# Altium PCB PCB4191.PcbDoc (part 2 of 4)
Units mm, origin at the board's own origin, x right, y up, seen from the top; angles counter-clockwise.
Board outline 160 x 160 mm, 6 copper layers (Top Layer, IM1 RIS, IM2 Signal, IM3 Signal, IM4 GND, Bottom Layer), stack 1.582 mm thick; 143 components, 121 nets, 430 pads, 4983 vias.
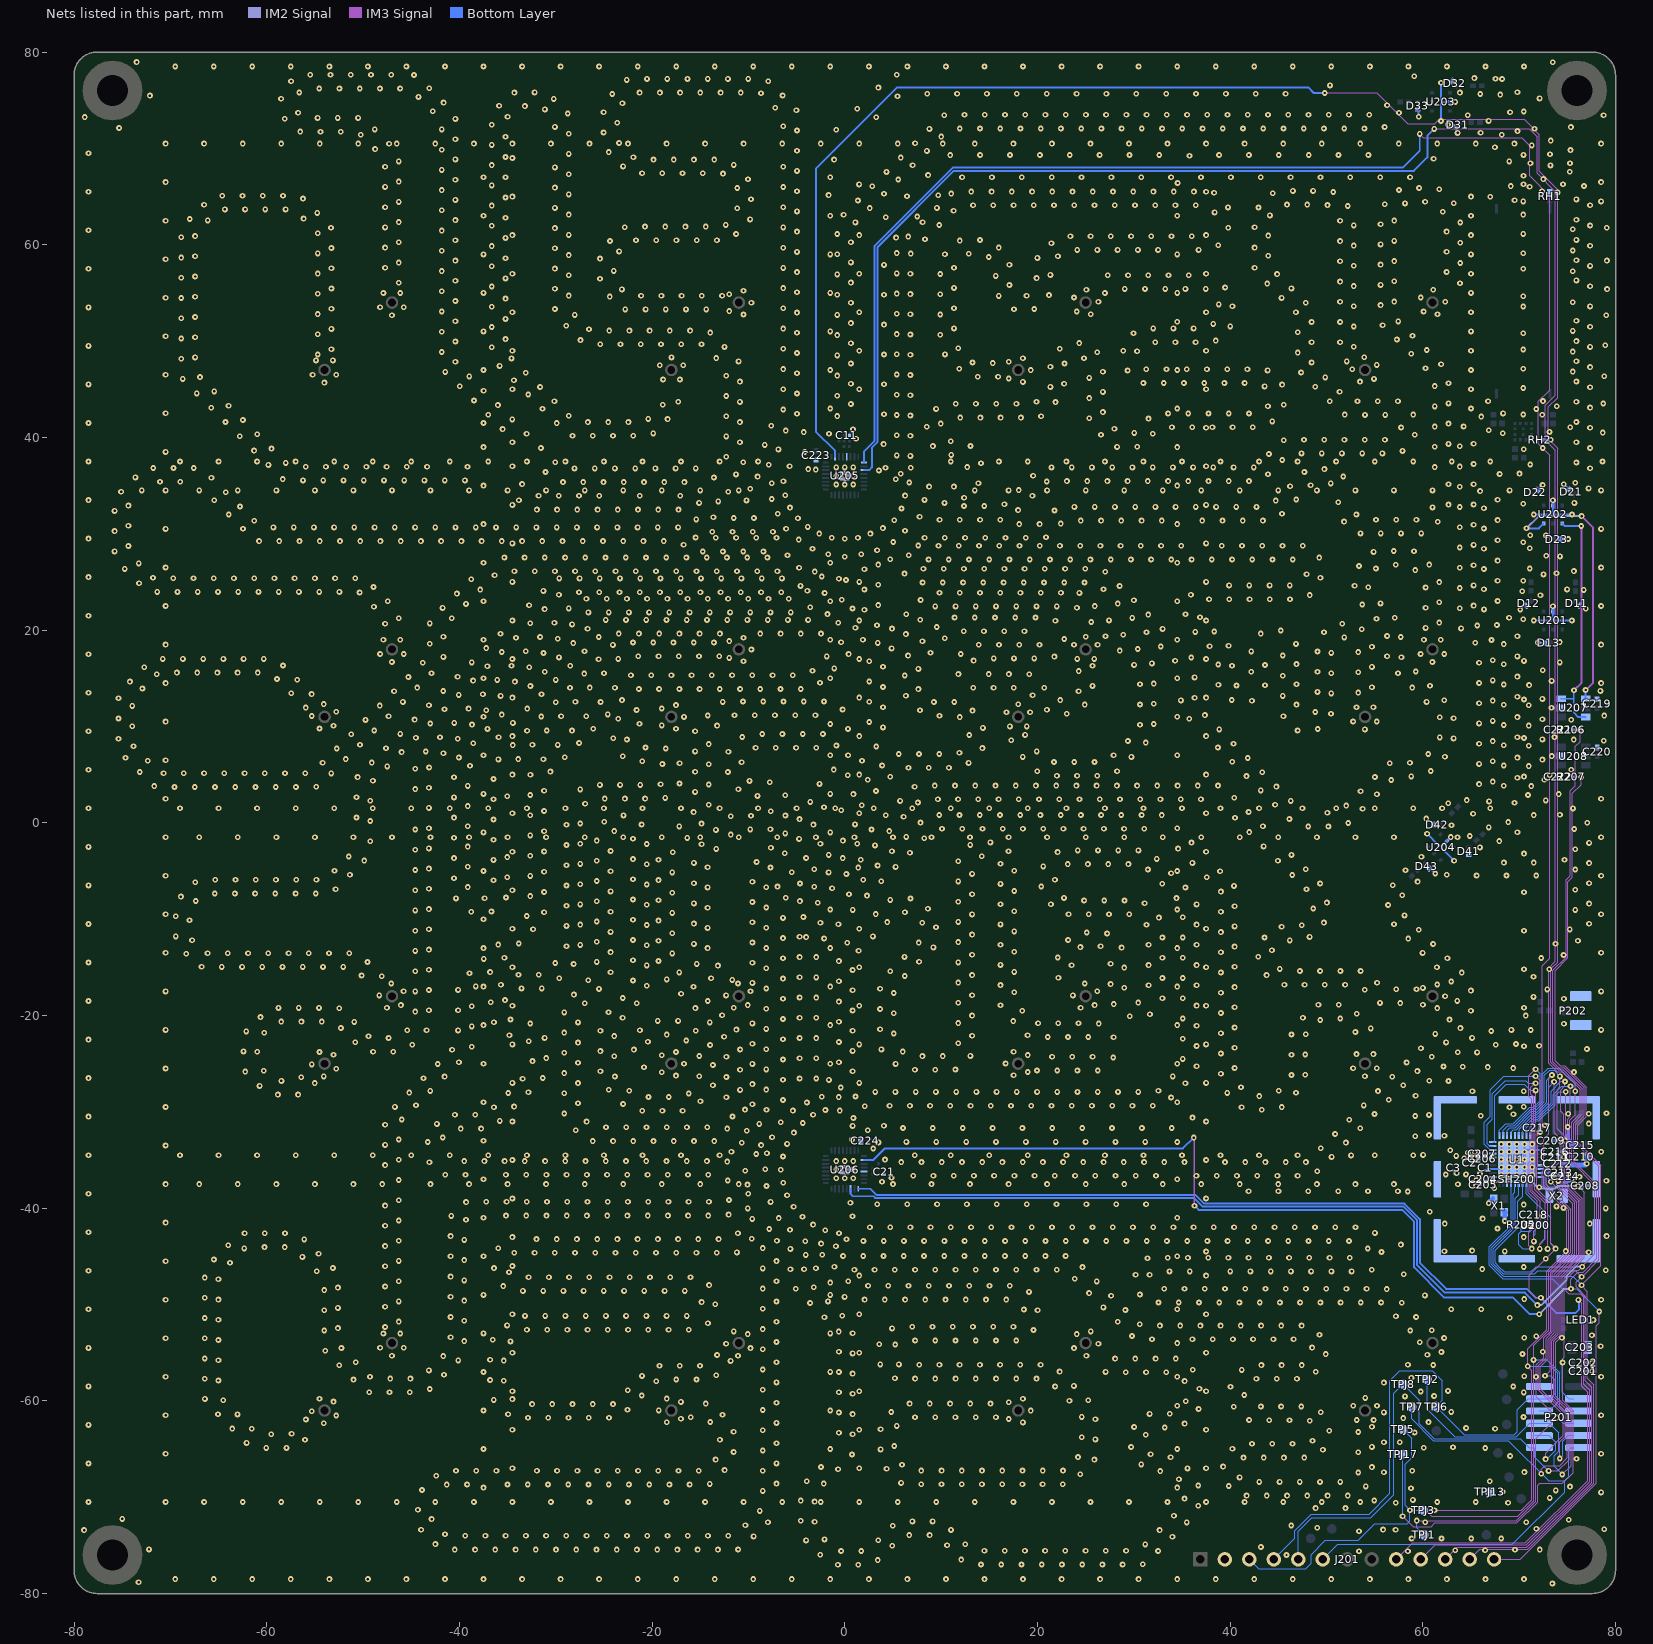
[diagram p6: the nets of this part, all layers, seen from the top]

## Via types
v1: diameter 0.6, hole 0.25, IM4 GND to Bottom Layer, tented bottom, 3953 vias
v2: diameter 0.6, hole 0.25, Top Layer to Bottom Layer, tented both sides, 851 vias
v3: diameter 0.6, hole 0.25, IM4 GND to Bottom Layer, tented both sides, 179 vias

## Nets (pads, with @x,y where several pads share a name; then routed paths per layer and width w, separated by ;. In a path a pad name is that pad's centre, name@x,y a point inside that pad or via, vN(x,y) a via of type N, cw(c..) or ccw(c..) an arc to the next point about the centre after c; other vN are vias at no path point) (continued)
CTRL3: J201.9 U1.3 U205.9 U206.9 | length 356.4
  IM3 Signal w0.1: J201.9@57.232,-76.45 58.955,-74.725 70.65,-74.725 77.1,-68.275 77.1,-59.1 76.475,-58.475 76.475,-49.85 v2(76.15,-49.525) ; v2(59.675,71.5) 60.05,71.125 70.25,71.125 71.075,70.3 71.075,67.15 73.168,65.057 73.168,44.9 72,43.732 72,39.325 73.168,38.157 73.168,-14.082 72.4,-14.85 72.4,-31.7 71.95,-32.15 71.95,-35.625 71.798,-35.777 71.798,-37.969 73.25,-39.421 73.25,-43.66 v2(73.782,-44.192) 71.025,-46.949 71.025,-48.625 71.7,-49.3 v2(72.25,-49.3)
  Bottom Layer w0.1: U1.3@70.75,-37.445 70.75,-38.5 73.25,-41 73.25,-43.7 v2@73.75,-44.2
  Bottom Layer w0.2: U206.9@1.4,-37.985 2.635,-37.985 3.275,-38.625 36.4,-38.625 37.3,-39.525 58.085,-39.525 59.703,-41.142 59.703,-45.653 62.425,-48.375 70.775,-48.375 71.7,-49.3 v2(72.25,-49.3) 73.825,-50.875 75.85,-50.875 76.225,-50.5 76.225,-49.625 76.15,-49.55 v2(76.15,-49.525) ; U205.9@1.985,37.4 1.985,38.535 3.1,39.65 3.1,59.89 11.21,68 57.9,68 59.675,69.775 v2(59.675,71.5)
CTRL4: J201.10 U1.4 U205.11 U206.11 | length 372.8
  IM3 Signal w0.1: J201.10@59.772,-76.45 61.27,-74.95 70.75,-74.95 77.3,-68.4 77.3,-58.925 76.675,-58.3 76.675,-49.25 76.325,-48.9 75.15,-48.9 74.875,-48.625 74.875,-47.375 75.825,-46.425 76.2,-46.425 v2(76.55,-46.075) 76.55,-46.05 77.854,-44.746 77.854,-37.604 75.45,-35.2 75.45,-31.075 76.35,-30.175 76.35,-27.683 74.492,-25.825 73.925,-25.825 73.075,-24.975 73.075,-15.075 73.768,-14.382 73.768,38.657 72.725,39.7 72.725,43.332 73.768,44.375 73.768,65.507 71.85,67.425 71.85,71.2 71.025,72.025 v2(61.175,72.025)
  IM2 Signal w0.2: v2(71.888,-50.063) 72.312,-50.063 74.925,-47.45 74.925,-47.02 75.87,-46.075 v2(76.55,-46.075)
  Bottom Layer w0.1: U1.4@70.35,-37.445 70.35,-38.785 69.83,-39.306 69.83,-42.032 67.51,-44.352 67.51,-45.678 67.847,-46.015 68.431,-46.6 71.225,-46.6 71.75,-46.075 v2(76.55,-46.075)
  Bottom Layer w0.2: U206.11@0.6,-37.985 0.6,-38.525 0.841,-38.766 2.992,-38.766 3.151,-38.925 36.225,-38.925 37.125,-39.825 57.961,-39.825 59.403,-41.267 59.403,-45.903 62.275,-48.775 70.6,-48.775 v2(71.888,-50.063) ; U205.11@1.985,36.6 2.525,36.6 2.82,36.895 2.82,38.945 3.4,39.525 3.4,59.765 11.309,67.675 59.075,67.675 60.475,69.075 60.475,71.325 v2(61.175,72.025)
CTRL5: J201.11 R206.1 U1.5 | length 122.5
  IM3 Signal w0.1: J201.11@62.312,-76.45 63.56,-75.2 70.809,-75.2 77.525,-68.484 77.525,-58.575 76.875,-57.925 76.875,-49.125 75.925,-48.175 75.925,-47.675 v2(76.475,-47.125) ; v2(76.313,9.639) 76.313,8.413 75.837,7.938 75.837,3.862 75.3,3.325 75.3,-5.475 74.86,-5.915 74.86,-13.93 73.5,-15.29 73.5,-24.8 74.125,-25.425 74.658,-25.425 76.75,-27.517 76.75,-30.392 75.85,-31.292 75.85,-33.233 76.817,-34.2 78.254,-35.636 78.254,-45.371 v2@76.475,-47.15
  Bottom Layer w0.1: U1.5@69.95,-37.445 69.95,-38.623 69.604,-38.97 69.604,-41.921 67.31,-44.216 67.31,-45.761 67.537,-45.989 67.626,-46.077 68.369,-46.821 71.629,-46.821 71.95,-46.5 75.85,-46.5 v2@76.45,-47.1 ; R206.1@75.655,9.639 v2(76.313,9.639)
CTRL5+: U202.6 U207.4 | length 28
  IM3 Signal w0.2: v2(76.481,31.837) 77.675,30.643 77.675,14.559 v2(76.895,13.779)
  IM2 Signal w0.2: v2(70.758,30.566) 72.029,31.837 v2(76.481,31.837)
  Bottom Layer w0.2: v2(70.758,30.566) 72.045,30.566 U202.6@72.55,31.071 ; U207.4@76.895,12.878 v2(76.895,13.779)
CTRL5-: U202.4 U207.3 U207.6 | length 24.5
  IM3 Signal w0.2: v2(75.689,13.752) 76.47,14.534 v2@76.47,30.807
  Bottom Layer w0.2: U207.3@74.355,12.878 75.66,12.878 ; U202.4@74.45,31.071 74.715,30.807 v2(76.442,30.807) ; v2(75.689,13.752) 75.66,13.723 75.66,12.878 ; U207.6@76.895,10.973 76.153,10.973 75.66,11.465 75.66,12.878
CTRL6: J201.12 R207.1 U1.6 | length 115.3
  IM3 Signal w0.1: J201.12@64.852,-76.45 65.9,-75.4 70.892,-75.4 77.75,-68.542 77.75,-58.35 77.075,-57.675 77.075,-48.662 76.475,-48.062 v2(76.475,-48) 76.475,-47.938 78.454,-45.959 78.454,-35.554 76.9,-34 76.075,-33.175 76.075,-31.375 76.95,-30.5 76.95,-27.434 74.741,-25.225 74.275,-25.225 73.725,-24.675 73.725,-15.348 75.06,-14.013 75.06,-6.115 75.525,-5.65 75.525,3.05 76.435,3.96 v2(76.435,4.76)
  Bottom Layer w0.1: U1.6@69.55,-37.445 69.55,-38.329 69.373,-38.506 69.373,-41.851 67.11,-44.114 67.11,-45.844 67.245,-45.979 68.348,-47.082 75.582,-47.082 76.475,-47.975 v2(76.475,-48) ; R207.1@75.694,4.76 v2(76.435,4.76)
CTRL7: J201.13 U1.7 U205.2 U206.2 | length 382.4
  IM3 Signal w0.1: v2(49.825,75.75) 55.225,75.75 58.425,72.55 61.25,72.55 61.7,73 70.525,73 72.1,71.425 72.1,67.605 73.98,65.725 73.98,44.125 73.025,43.17 73.025,39.85 73.98,38.895 73.98,-14.47 73.275,-15.175 73.275,-24.858 74.042,-25.625 74.575,-25.625 76.55,-27.6 76.55,-30.275 75.65,-31.175 75.65,-35.117 78.054,-37.521 78.054,-45.221 76.625,-46.65 76.1,-46.65 75.375,-47.375 v2(75.375,-48.375) ; J201.13@67.392,-76.45 J201.13@67.392,-76.45 70.125,-76.45 78,-68.575 78,-52.2 78.3,-51.9 v2(78.3,-50.725)
  IM3 Signal w0.2: v2(36.225,-32.675) 36.275,-32.725 36.275,-39.725 v2(36.3,-39.75)
  IM2 Signal w0.2: v2(72.075,-51) 74.7,-48.375 v2(75.375,-48.375)
  Bottom Layer w0.1: U1.7@69.15,-37.445 69.15,-41.765 66.91,-44.006 66.91,-45.927 68.286,-47.303 73.411,-47.303 74.484,-48.375 v2(75.375,-48.375) 75.95,-48.375 v2(78.3,-50.725)
  Bottom Layer w0.2: U205.2@-1,37.985 -1,38.6 -3.001,40.6 -3.001,67.894 5.443,76.338 48.113,76.338 48.7,75.75 v2(49.825,75.75) ; U206.2@1.985,-35 2.973,-35 4.174,-33.8 35.1,-33.8 v2(36.225,-32.675) ; v2(36.3,-39.75) 36.725,-40.175 57.887,-40.175 59.103,-41.391 59.103,-46.153 62.225,-49.275 69.375,-49.275 71.1,-51 v2(72.075,-51)
EFR32_#RESET: C208.1 P201.3 TPJ17.1 U1.11 | length 74.1
  IM3 Signal w0.1: v2(57.899,-71.975) 58.999,-73.075 60.85,-73.075 61.25,-72.675 69.751,-72.675 71.923,-70.503 71.923,-68.767 72.142,-68.548 74.487,-68.548 75.593,-67.441 75.593,-61.016 74.5,-59.923 v2(74.5,-56.023) 74.5,-55.607 74.654,-55.453 74.654,-47.271 76.758,-45.167 76.758,-38.338 v2(76.105,-37.686)
  IM2 Signal w0.2: v2(67.325,-37.231) 71.281,-37.231 72,-37.95 73.775,-37.95 74.039,-37.686 v2(76.105,-37.686)
  Bottom Layer w0.1: v2(57.899,-71.975) TPJ17.1@57.899,-65.557 ; v2(74.5,-56.023) 74.459,-56.064 74.459,-59.117 75.124,-59.782 P201.3@75.657,-59.782 ; C208.1@76.577,-37.686 C208.1@76.615,-37.648
  Bottom Layer w0.3: v2(67.325,-37.231) 67.325,-37.226 67.4,-37.151 67.325,-37.076 U1.11@67.325,-36.842 ; v2(76.105,-37.686) C208.1@76.577,-37.686
EFR32_PA00: R205.1 U1.21 U200.A3 | length 34.1
  IM3 Signal w0.1: v2@71.275,-44.175 71,-43.9 71,-42.575 71.875,-41.7 71.875,-39.3 70.95,-38.375 70.95,-35.3 71.125,-35.125 71.125,-31.826 71.3,-31.651 71.3,-28.7 70.975,-28.375 70.975,-26.275 71.675,-25.575 v2(71.7,-25.575)
  Bottom Layer w0.1: U1.21@67.95,-32.455 67.95,-31.9 68.601,-31.25 69.375,-31.25 71.077,-29.548 71.452,-29.548 72.175,-28.825 72.175,-26.05 v2(71.7,-25.575) ; 70.225,-42.35 R205.1@70.225,-42.025 ; U200.A3@71.25,-42.125 70.975,-42.4 70.225,-42.4 70.225,-42.375 69.95,-42.65 69.95,-43.775 70.375,-44.2 v2(71.3,-44.2)
EFR32_PA01: P201.8 TPJ2.1 U1.22 | length 80.6
  IM3 Signal w0.1: v2(74.474,-67.643) 75.393,-66.724 75.393,-61.099 73.8,-59.506 73.8,-53.915 74.454,-53.261 74.454,-47.188 76.558,-45.084 76.558,-39.008 74.95,-37.4 74.95,-35.975 75.25,-35.675 75.25,-30.9 75.825,-30.325 v2(75.825,-27.875) 75.8,-27.875 v2@75.775,-27.85
  Bottom Layer w0.1: TPJ2.1@60.449,-57.777 60.449,-60.876 63.293,-63.719 69.688,-63.719 71.086,-62.322 P201.8@72.093,-62.322 73.107,-62.322 74.082,-63.296 74.082,-65.232 73.628,-65.686 73.628,-66.797 v2(74.474,-67.643) ; U1.22@68.35,-32.455 68.35,-31.9 68.8,-31.45 69.475,-31.45 71.177,-29.748 71.534,-29.748 72.4,-28.883 72.4,-26.075 73,-25.475 74.175,-25.475 75.8,-27.1 75.8,-27.875 v2(75.825,-27.875)
EFR32_PA02: P201.7 TPJ1.1 U1.23 | length 76.8
  IM3 Signal w0.1: v2(59.375,-72.425) 69.715,-72.425 69.716,-72.427 71.714,-70.429 71.714,-63.937 v2(73.908,-61.742) 73.908,-61.679 71.79,-59.56 71.79,-56.273 72.56,-55.504 72.56,-53.458 73.254,-52.764 73.254,-46.691 75.344,-44.601 75.344,-40.099 72.8,-37.555 72.8,-36.55 74.45,-34.9 74.45,-32.275 73.925,-31.75 73.925,-27.7 74.225,-27.4 v2(74.225,-26.325)
  Bottom Layer w0.1: v2(59.375,-72.425) 59.375,-73.185 TPJ1.1@60.098,-73.907 ; U1.23@68.75,-32.455 68.75,-31.917 69.018,-31.65 69.575,-31.65 71.277,-29.948 71.617,-29.948 72.625,-28.941 72.625,-26.225 73.15,-25.7 73.625,-25.7 74.225,-26.3 v2(74.225,-26.325) ; v2(73.908,-61.742) 73.972,-61.742 74.551,-62.322 P201.7@75.657,-62.322
EFR32_PA03: P201.6 TPJ3.1 U1.24 | length 76.2
  IM3 Signal w0.1: v2@61.205,-71.377 70.198,-71.377 71.312,-70.263 71.312,-56.851 v2(70.88,-56.418) 70.88,-54.57 72.852,-52.598 72.852,-46.525 74.942,-44.435 74.942,-40.265 72.398,-37.721 72.398,-36.202 72.55,-36.05 72.55,-32.825 73.075,-32.3 73.075,-26.5 v2(73.4,-26.175)
  Bottom Layer w0.1: TPJ3.1@60.049,-71.357 v2(61.205,-71.357) ; U1.24@69.15,-32.455 69.2,-32.405 69.2,-32.05 69.4,-31.85 69.675,-31.85 71.377,-30.148 71.7,-30.148 72.85,-28.999 72.85,-26.725 v2(73.4,-26.175) ; v2(70.88,-56.418) 73.259,-56.418 73.993,-57.151 73.993,-60.182 73.123,-61.052 P201.6@72.093,-61.052
EFR32_PA04: U1.25
EFR32_PA05: J201.3 P201.5 TPJ5.1 U1.26 | length 106.5
  IM3 Signal w0.102: v2(58.665,-71.349) 60.274,-71.349 60.911,-71.986 69.873,-71.986 71.513,-70.346 71.513,-54.221 73.053,-52.681 73.053,-46.608 75.143,-44.518 75.143,-40.182 72.599,-37.638 72.599,-36.4 ; 72.6,-36.4 74.249,-34.751 74.249,-32.799 73.625,-32.175 v2(73.625,-26.875)
  Bottom Layer w0.102: J201.3@41.99,-76.45 42.99,-77.45 47.825,-77.45 48.4,-76.875 48.4,-75.95 49.868,-74.482 53.293,-74.482 55.025,-72.75 58.375,-72.75 58.665,-72.46 v2(58.665,-71.349) 58.153,-70.837 58.153,-66.598 58.841,-65.91 58.841,-63.899 TPJ5.1@57.899,-62.957 ; U1.26@70,-32.405 70,-31.825 71.476,-30.349 71.783,-30.349 73.075,-29.057 73.075,-27.425 v2(73.625,-26.875) ; v2(71.489,-55.749) 72.875,-55.749 74.194,-57.069 74.194,-60.578 74.667,-61.052 P201.5@75.657,-61.052
EFR32_PA06: J201.4 P201.4 TPJ6.1 U1.27 | length 96.5
  IM3 Signal w0.1: v2(72.676,-57.403) 73.2,-56.879 73.2,-53.666 73.854,-53.013 73.854,-46.94 75.958,-44.836 75.958,-39.316 74.35,-37.708 74.35,-35.709 74.65,-35.409 74.65,-30.267 74.3,-29.917 74.3,-27.75 74.75,-27.3 v2(74.75,-26.85)
  Bottom Layer w0.1: J201.4@44.53,-76.45 46.699,-74.281 46.699,-73.463 48.412,-71.75 54.425,-71.75 56.575,-69.6 56.575,-57.9 57.6,-56.875 60.975,-56.875 62,-57.9 62,-59.957 TPJ6.1@61.369,-60.587 64.297,-63.515 69.499,-63.515 69.802,-63.212 69.802,-60.943 70.963,-59.782 P201.4@72.093,-59.782 73.191,-59.782 73.768,-59.206 73.768,-57.87 73.301,-57.403 v2(72.676,-57.403) ; U1.27@70.35,-32.455 70.35,-31.767 71.567,-30.55 71.866,-30.55 73.325,-29.091 73.325,-27.85 74.325,-26.85 v2(74.75,-26.85)
EFR32_PA07: J201.5 P201.12 TPJ8.1 U1.28 | length 98.9
  IM3 Signal w0.1: v2(73.051,-67.276) 74.015,-67.276 75.193,-66.098 75.193,-61.182 73.6,-59.589 73.6,-53.832 74.254,-53.178 74.254,-47.105 76.358,-45.002 76.358,-39.108 74.75,-37.5 74.75,-35.875 75.05,-35.575 75.05,-30.75 75.325,-30.475 v2(75.325,-27.35)
  Bottom Layer w0.1: J201.5@47.07,-76.45 47.07,-73.511 48.456,-72.125 54.6,-72.125 56.975,-69.75 56.975,-59.232 TPJ8.1@57.949,-58.257 59.632,-59.939 59.632,-62.371 61.18,-63.919 70.116,-63.919 71.058,-64.862 71.593,-64.862 71.593,-65.836 73.033,-67.276 v2(73.051,-67.276) ; U1.28@70.75,-32.403 70.75,-31.65 71.65,-30.75 71.949,-30.75 73.525,-29.174 73.525,-28.225 74.4,-27.35 v2(75.325,-27.35)
EFR32_PA08: J201.6 P201.11 TPJ7.1 U1.29 | length 103.9
  IM3 Signal w0.1: v2(72.284,-67.571) 72.284,-67.099 72.671,-66.712 74.205,-66.712 74.993,-65.924 74.993,-61.265 73.4,-59.672 73.4,-53.749 74.054,-53.095 74.054,-47.023 76.158,-44.919 76.158,-39.233 74.825,-37.9 74.825,-37.858 74.55,-37.583 74.55,-35.792 74.85,-35.492 74.85,-27.95 v2(74.825,-27.925)
  Bottom Layer w0.1: J201.6@49.61,-76.45 51.159,-74.901 69.299,-74.901 74.728,-69.472 74.728,-68.287 ; TPJ7.1@58.839,-60.627 58.839,-61.862 61.097,-64.119 68.879,-64.119 73.046,-68.287 74.728,-68.287 ; U1.29@71.15,-32.455 71.15,-31.55 71.75,-30.95 72.032,-30.95 73.725,-29.257 73.725,-28.35 74.15,-27.925 v2(74.825,-27.925) ; P201.11@75.657,-64.862 75.275,-64.862 75.129,-65.008 75.129,-67.886 74.728,-68.287
EFR32_PB00: U1.20 U200.D2 | length 30.7
  IM3 Signal w0.1: v2(71.7,-27.775) 71.7,-31.817 71.55,-31.967 71.55,-35.375 71.379,-35.546 71.379,-38.179 72.7,-39.5 72.7,-43.175 72.125,-43.75 v2(72.125,-44.225)
  Bottom Layer w0.1: U1.20@67.255,-33.15 67.45,-33.15 67.45,-28.325 68.65,-27.125 70.5,-27.125 71.15,-27.775 v2(71.7,-27.775) ; U200.D2@71.85,-41.775 72.3,-41.775 72.675,-42.15 72.675,-43.2 72.125,-43.75 v2(72.125,-44.225)
EFR32_PB01: U1.19 U200.C3 | length 30.2
  IM3 Signal w0.1: v2(71.525,-43.45) 71.525,-42.4 72.175,-41.75 72.175,-39.275 71.15,-38.25 71.15,-35.475 71.35,-35.275 71.35,-31.884 71.5,-31.734 71.5,-28.45 71.225,-28.175 71.225,-27.475 71.675,-27.025 v2(71.7,-27.025)
  Bottom Layer w0.1: U1.19@67.255,-33.55 66.925,-33.55 66.675,-33.3 66.675,-31.3 67.2,-30.775 67.2,-28.125 68.575,-26.75 70.675,-26.75 70.95,-27.025 v2(71.7,-27.025) ; v2(71.525,-43.45) 71.525,-42.85 71.65,-42.725 U200.C3@71.65,-42.125
EFR32_PB02: U1.18 U200.E1 | length 34.6
  IM3 Signal w0.1: v2(71.7,-26.3) 71.725,-26.3 72.175,-26.75 72.175,-31.625 71.75,-32.05 71.75,-35.5 71.598,-35.652 71.598,-38.052 71.6,-38.054 71.6,-38.1 72.95,-39.45 v2(72.95,-44.225)
  Bottom Layer w0.1: U1.18@67.255,-33.95 67.206,-33.9 66.9,-33.9 66.375,-33.375 66.375,-31.075 66.975,-30.475 66.975,-27.725 68.4,-26.3 v2(71.7,-26.3) ; U200.E1@72.05,-41.425 72.4,-41.425 72.95,-41.975 v2(72.95,-44.225)
EFR32_PB03: U1.17
EFR32_PB04: U1.16 | length 0.3
  Bottom Layer w0.1: U1.16@66.97,-34.75 U1.16@67.255,-34.75
EFR32_PC07: U1.8
EFR32_PD00: U1.40 X2.1 | length 1.9
  Bottom Layer w0.1: U1.40@72.245,-36.75 72.5,-36.75 72.5,-36.756 72.51,-36.766 72.55,-36.806 72.55,-37.756 72.92,-38.125 X2.1@73,-38.125
EFR32_PD01: U1.39 X2.2 | length 3.4
  Bottom Layer w0.1: U1.39@72.245,-36.35 72.531,-36.35 72.8,-36.619 72.8,-37.506 73.075,-37.781 74.05,-37.781 X2.2@74.385,-38.115
EFR32_PD02: P201.10 U1.38 | length 39.9
  IM3 Signal w0.1: v2(72.737,-66.043) 72.737,-65.425 74.593,-63.569 74.593,-61.431 71.99,-58.827 71.99,-56.359 72.8,-55.548 72.8,-53.5 73.454,-52.847 73.454,-46.774 75.558,-44.67 75.558,-39.538 v2(73.275,-37.256)
  Bottom Layer w0.1: P201.10@71.593,-63.592 P201.10@72.093,-63.592 73.059,-63.592 73.78,-64.313 73.78,-65.121 72.858,-66.043 v2(72.737,-66.043) ; U1.38@72.245,-35.95 72.545,-35.95 73.05,-36.456 73.05,-36.931 v2@73.248,-37.128 ; v2@73.225,-37.1 73.25,-37.125 v2@73.248,-37.128 ; v2@73.25,-37.131 v2@73.248,-37.128 ; v2(73.275,-37.256) 73.275,-37.242 73.306,-37.273 73.325,-37.253 73.224,-37.152 v2@73.248,-37.128
EFR32_PD03: P201.9 U1.37 | length 38.1
  IM3 Signal w0.1: v2(73.525,-36.556) 73.914,-36.944 73.914,-37.564 75.758,-39.408 75.758,-44.753 73.654,-46.857 73.654,-52.93 73,-53.583 73,-55.631 72.19,-56.441 72.19,-58.745 74.793,-61.348 74.793,-63.652 74.2,-64.245 v2(74.2,-65.986)
  Bottom Layer w0.1: U1.37@72.245,-35.55 72.57,-35.55 72.775,-35.756 72.775,-35.856 73.35,-36.431 v2@73.45,-36.431 ; v2@73.3,-36.456 v2@73.325,-36.481 ; v2(74.2,-65.986) 74.5,-65.685 74.5,-64.183 75.092,-63.592 P201.9@75.657,-63.592
GND: C1.2 C2.2 C3.2 C11.1 C21.1 C201.2 C202.2 C203.2 C204.2 C205.2 C206.2 C207.2 C208.2 C209.2 C210.2 C211.2 C212.2 C213.2 C214.2 C215.2 C216.2 C217.2 C218.2 C219.1 C220.1 C221.1 C222.1 C223.1 C224.1 D11.1 D12.1 D13.1 D21.1 D22.1 D23.1 D31.1 D32.1 D33.1 D41.1 D42.1 D43.1 J201.2 LED1.1 P201.2 P202.2 P202.3 RH1.2 RH2.2 SH200.1 TPJ13.1 U1.0 U1.13 U1.33 U200.B2 U201.2 U201.7 U202.2 U202.7 U203.2 U203.7 U204.2 U204.7 U205.0 U205.5 U206.0 U206.5 U207.2 U208.2 X1.2 X1.4 | length 66.6
  Bottom Layer w0.1: v3(70.11,22.138) D12.1@70.63,22.658 ; v1@73.1,39.753 v1(73.286,39.753) ; v3@74.05,-37.206 74.1,-37.156 C213.2@74.1,-36.581 ; v2@75.325,-37.131 v2@75.425,-37.031
  Bottom Layer w0.2: v3(59.564,73.287) 59.564,73.947 59.582,73.965 D33.1@59.6,73.983 ; v3(60.44,-1.138) 61.717,-2.415 ; D43.1@60.823,-4.746 60.823,-4.796 v3(61.29,-5.263) ; v3(61.88,72.845) 61.88,74.675 ; 61.88,74.999 v3(61.88,76.805) ; 61.946,-2.644 v3(63.24,-3.938) ; 61.946,-2.432 U204.2@62.497,-1.881 v3(62.89,-1.488) ; 62.03,74.825 U203.2@62.809,74.825 v3(63.365,74.825) ; v3(63.609,71.604) v3@63.7,71.695 ; C1.2@66.525,-36.075 66.6,-36.075 66.725,-35.95 U1.13@67.255,-35.95 67.95,-35.95 v3(68.15,-35.75) ; v3(68.15,-33.35) v3(68.15,-34.15) v2(68.15,-34.95) v3(68.15,-35.75) ; v3(68.95,-33.35) v3(68.95,-34.15) v3(68.95,-34.95) v3(68.95,-35.75) v3(68.95,-36.55) ; v3(69.75,-33.35) v3(69.75,-34.15) v3(69.75,-34.95) ; v2(70.55,-33.35) v3(70.55,-34.15) ; v1(70.8,-41.725) 70.85,-41.775 U200.B2@71.45,-41.775 ; v3(71.35,-33.35) U1.0@71.35,-33.95 ; v3(71.516,21) 73.35,21 73.5,21.15 73.65,21 v3(75.475,21) ; v3(71.521,32) 73.324,32 73.325,32.001 ; v3(71.925,18.7) 71.95,18.675 D13.1@72.71,18.675 ; U1.33@72.245,-33.95 U1.0@71.35,-33.95 ; 73.475,21.425 73.495,21.445 v3(73.495,22.485) ; v3(73.5,33.485) U202.2@73.5,32.929 73.5,32.15 73.65,32 v3(75.48,32) ; v3(74.628,35.151) D21.1@75.13,34.648 ; D11.1@76.408,22.692 76.433,22.692 v3(76.9,22.225) ; v3(68.15,-35.75) v3(68.15,-36.55) v3(68.95,-36.55) ; v3(68.95,-36.55) v2(69.75,-36.55) ; v2(69.75,-36.55) v3(69.75,-35.75) v3(69.75,-34.95) ; v2(69.75,-36.55) v3(70.55,-36.55) v3(71.35,-36.55) v3(71.35,-35.75) v3(71.35,-34.95) v3(71.35,-34.15) U1.0@71.35,-33.95 ; v3(69.75,-34.95) v3(70.55,-34.15) ; v3(70.55,-34.15) 70.75,-33.95 U1.0@71.35,-33.95
  Bottom Layer w0.25: C3.2@63.325,-36.2 v3(63.5,-36.375)
  Bottom Layer w0.3: C3.2@63.2,-36.1 63.476,-36.375 v3(63.5,-36.375) ; v3(70.55,-36.55) v3(70.55,-35.75) v2(70.55,-34.95) v3(70.55,-34.15) ; D22.1@71.953,34.589 v3(72.426,35.062) v3@72.443,35.08 ; v3@72.125,-32.081 C217.2@72.125,-31.675 72.125,-31.35 72.625,-31.35 v3(72.675,-31.4) ; RH2.2@72.417,39.753 v1@73.1,39.753 ; C209.2@73.625,-32.981 73.65,-32.956 v3(74.175,-32.956) 74.419,-32.956 75.05,-32.325 ; C211.2@74.025,-34.725 74.606,-34.725 v3(74.625,-34.706) ; C216.2@74.025,-34.15 74.581,-34.15 v3(74.625,-34.106) ; v3@74.04,-37.131 v3@74.05,-37.141 ; v3@74.043,-37.131 74.05,-37.137 v3@74.05,-37.141 ; v3(74.05,-37.181) v3@74.05,-37.141 ; D23.1@74.343,29.437 74.36,29.455 v3(75.091,29.455) ; v3@74.825,-32.975 75.05,-32.75 75.05,-32.325 ; v3(75.05,-31.575) 75.05,-32.325
  Bottom Layer w0.5: v1(66.848,-39.498) 66.848,-39.408 X1.2@67.25,-39.006 ; v3(68.5,-41.331) 68.5,-40.55 68.575,-40.475 X1.4@68.525,-40.475 ; X1.4@68.5,-40.4 X1.4@68.45,-40.35 ; X1.4@68.55,-40.375 X1.4@68.5,-40.35 ; v3(74.175,-32.956) 74.192,-32.973 v3(74.774,-32.973) v3@74.798,-32.973 ; C212.2@74.55,-35.375 74.556,-35.381 74.984,-35.381 v3(75.103,-35.5) 75.134,-35.531 76.87,-35.531 v3(77,-35.4) C210.2@77,-34.975 ; v3(74.625,-34.706) v3(74.625,-34.106) ; C214.2@74.775,-37.131 v2@75.325,-37.131 ; v3@74.775,-32.981 75.106,-32.981 75.4,-33.275 C215.2@75.6,-33.475 ; C210.2@77,-34.675 C210.2@77.05,-34.675 ; X1.4@68.45,-40.35 X1.4@68.5,-40.35 ; X1.4@68.45,-40.35 68.4,-40.3 68.49,-40.345 X1.4@68.5,-40.35